# Altium PCB CMTestBoardV2.PcbDoc (part 1 of 2)
Units mil, origin at the board's own origin, x right, y up, seen from the top; angles counter-clockwise.
Board outline 3745.87 x 3955.48 mil, 4 copper layers (Top Layer, Layer 1, Layer 2, Bottom Layer), stack 22.4 mil thick; 99 components, 95 nets, 736 pads, 278 vias.
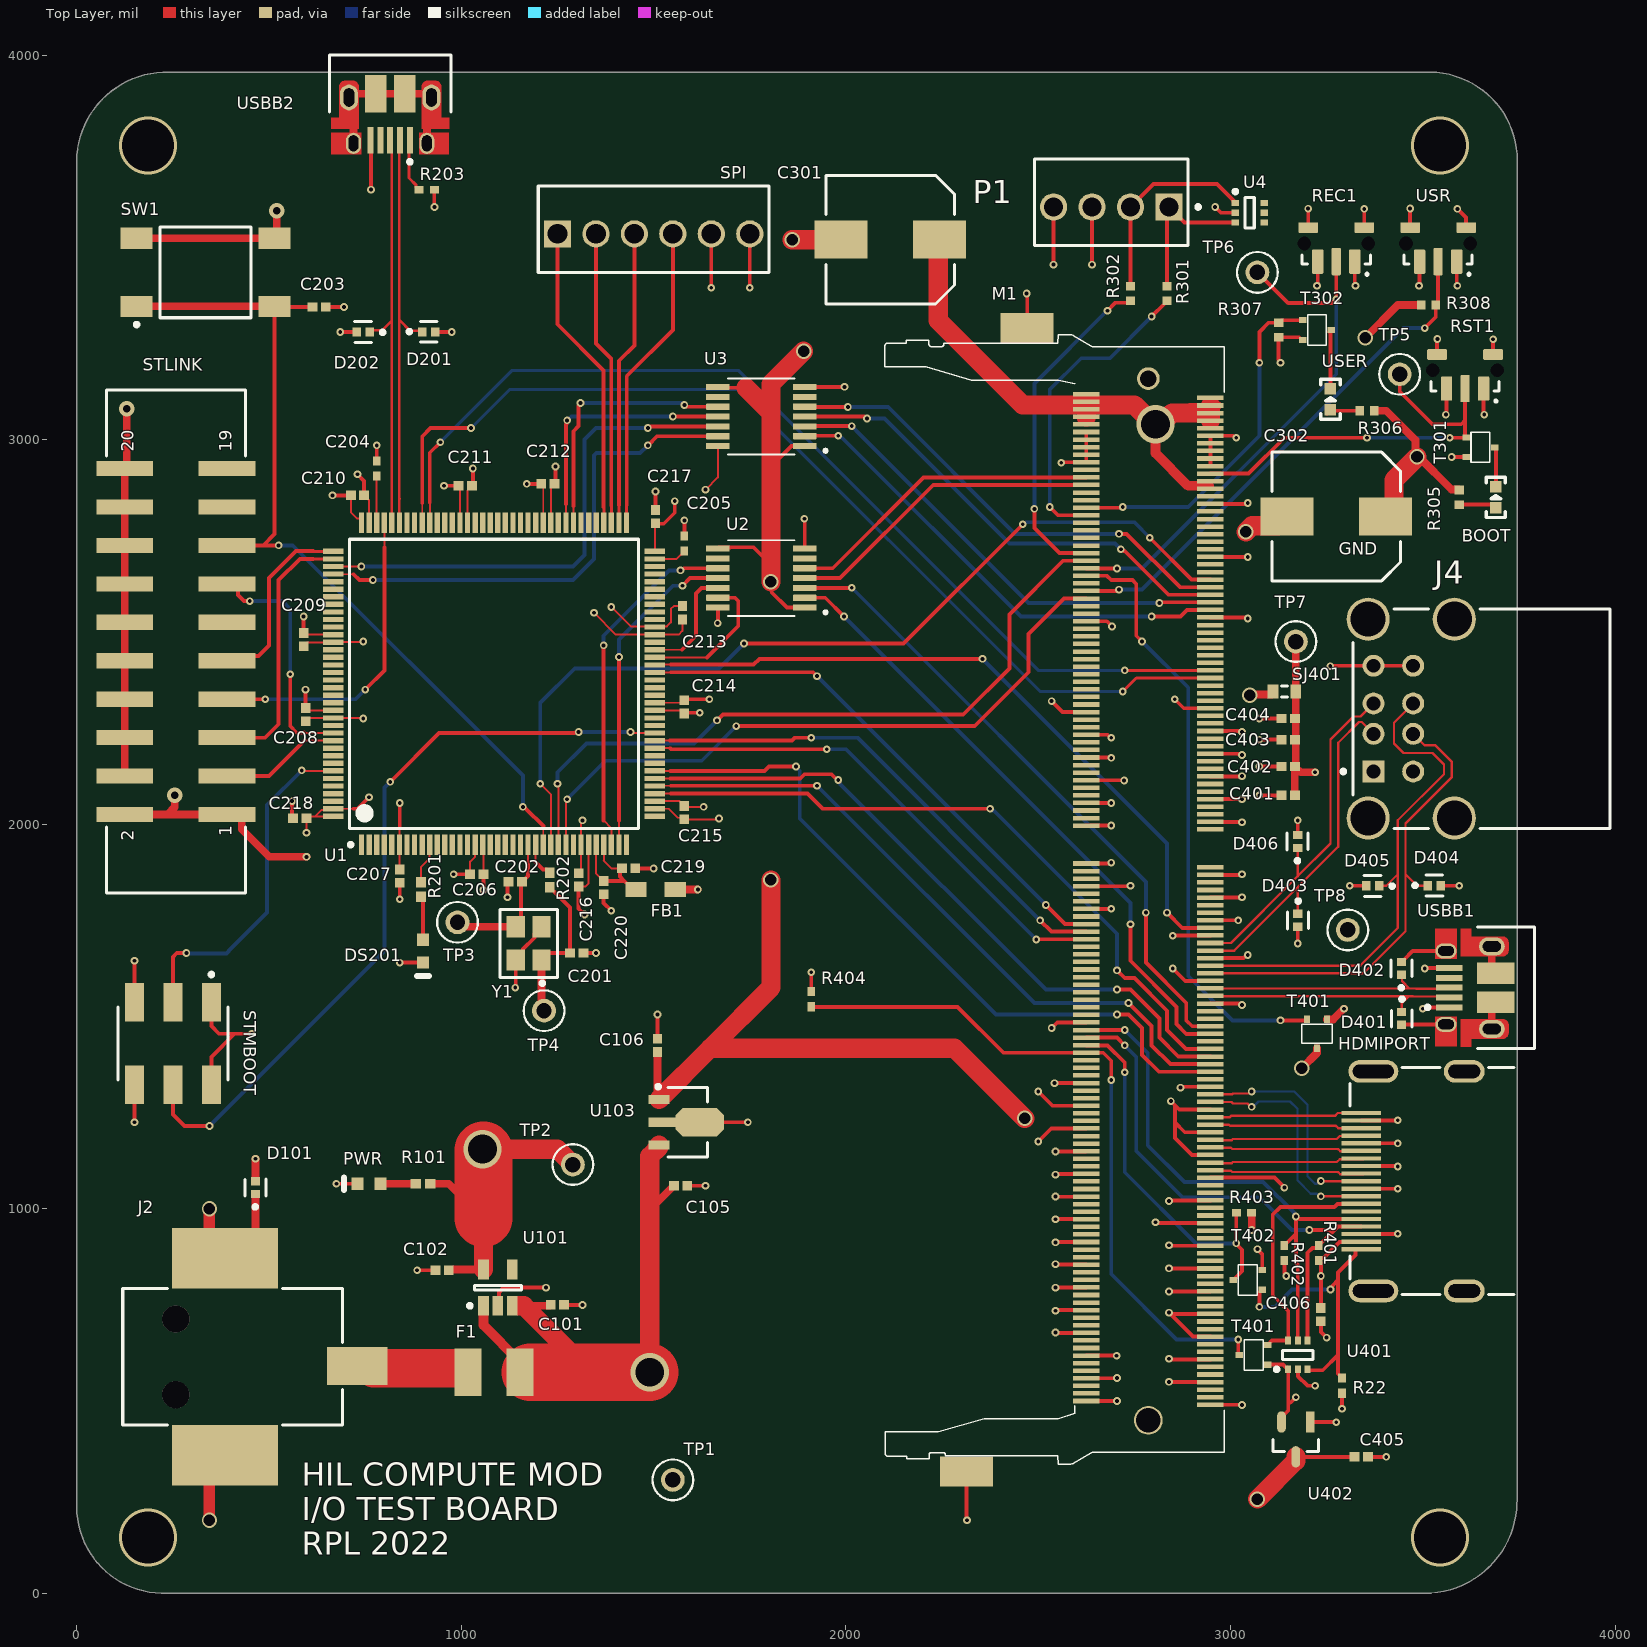
[diagram p0: Top Layer view]
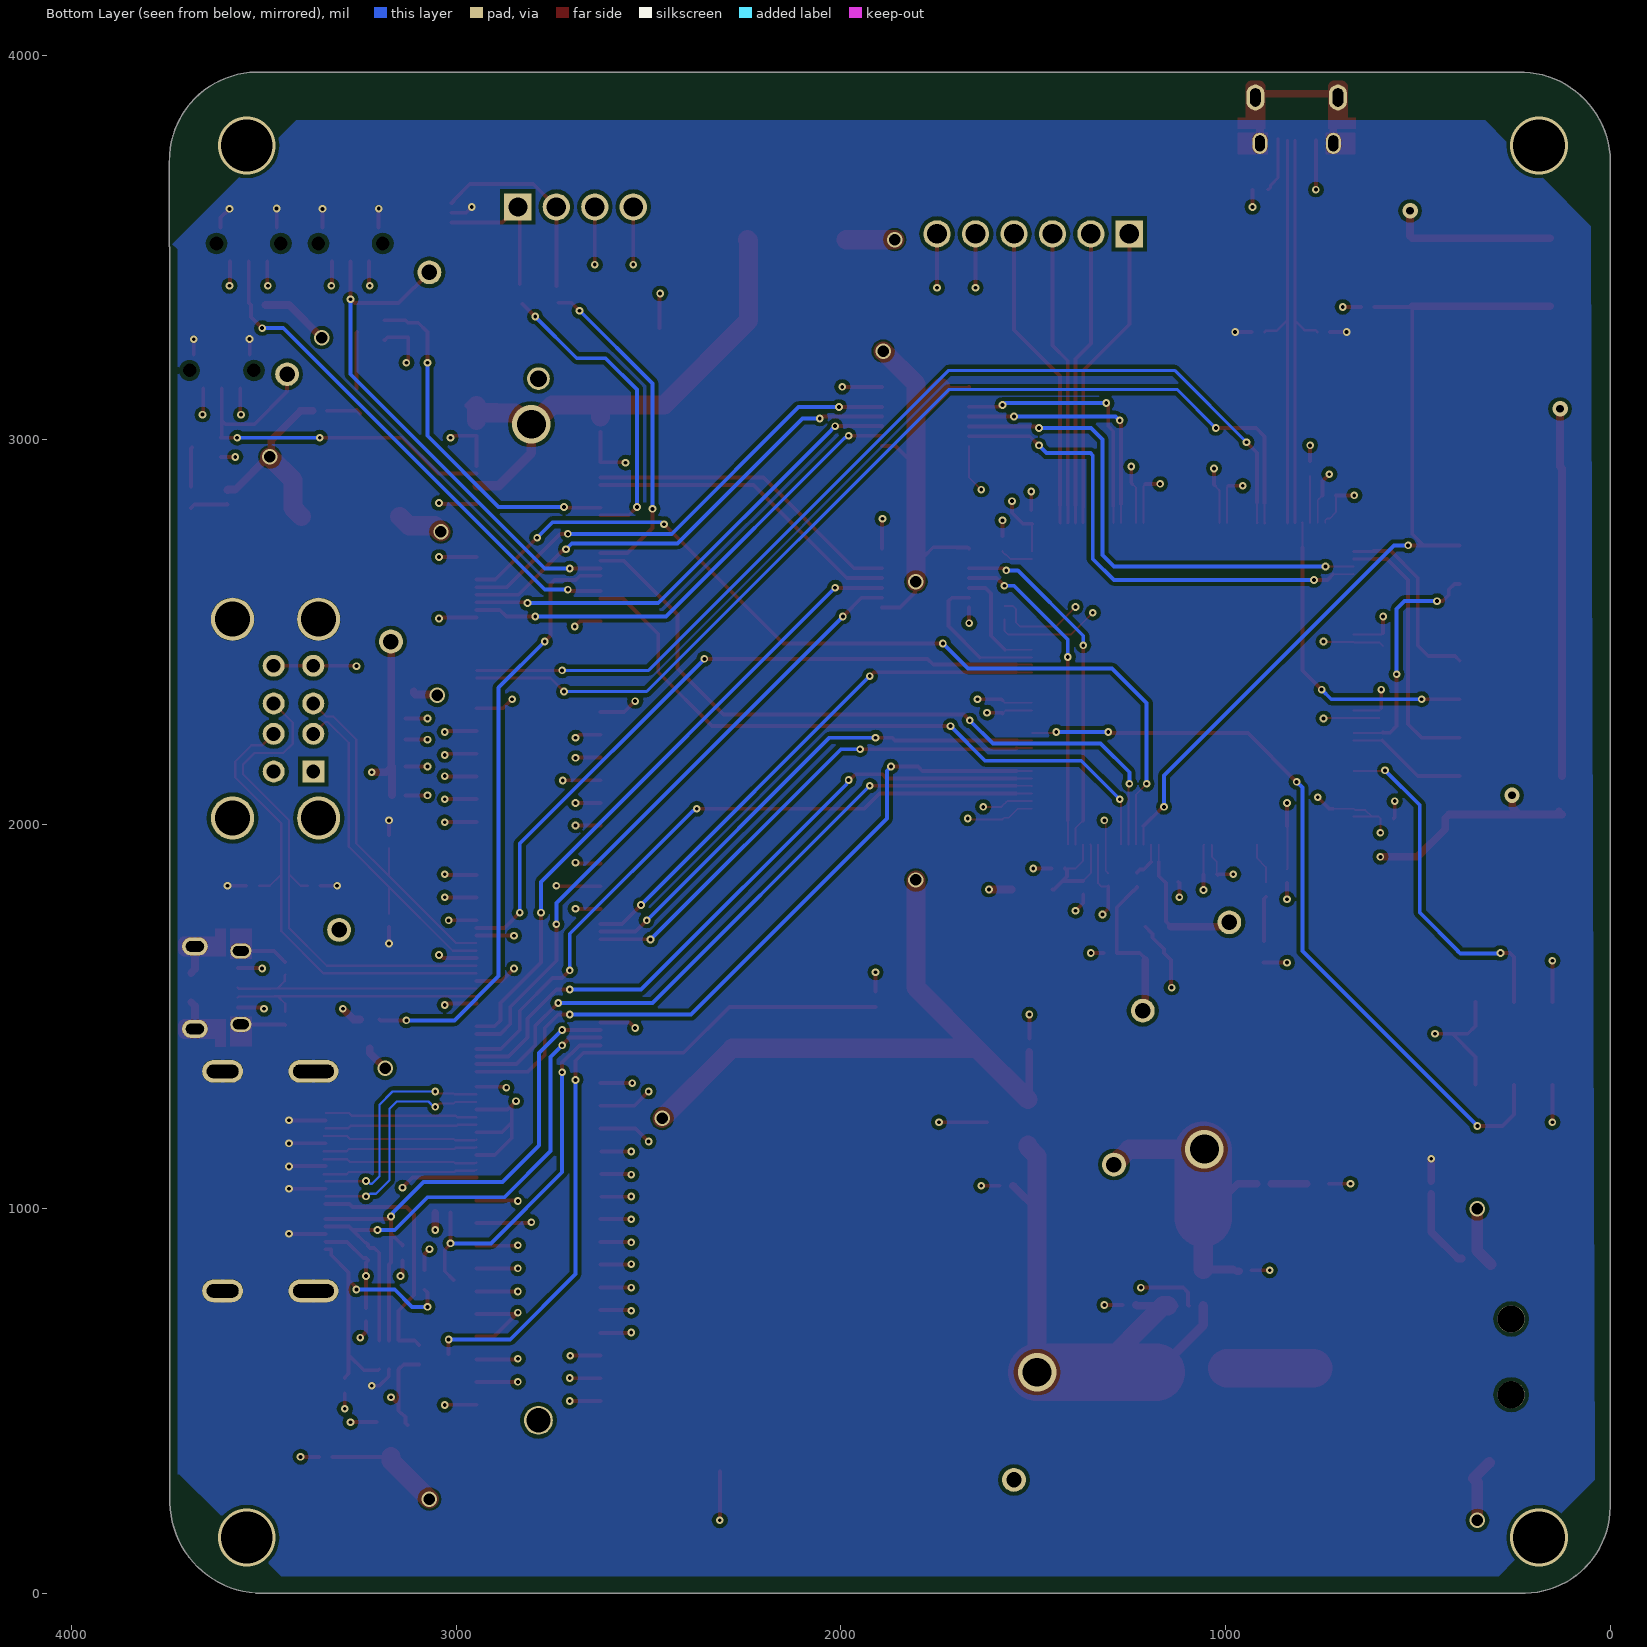
[diagram p1: Bottom Layer view, seen from below]
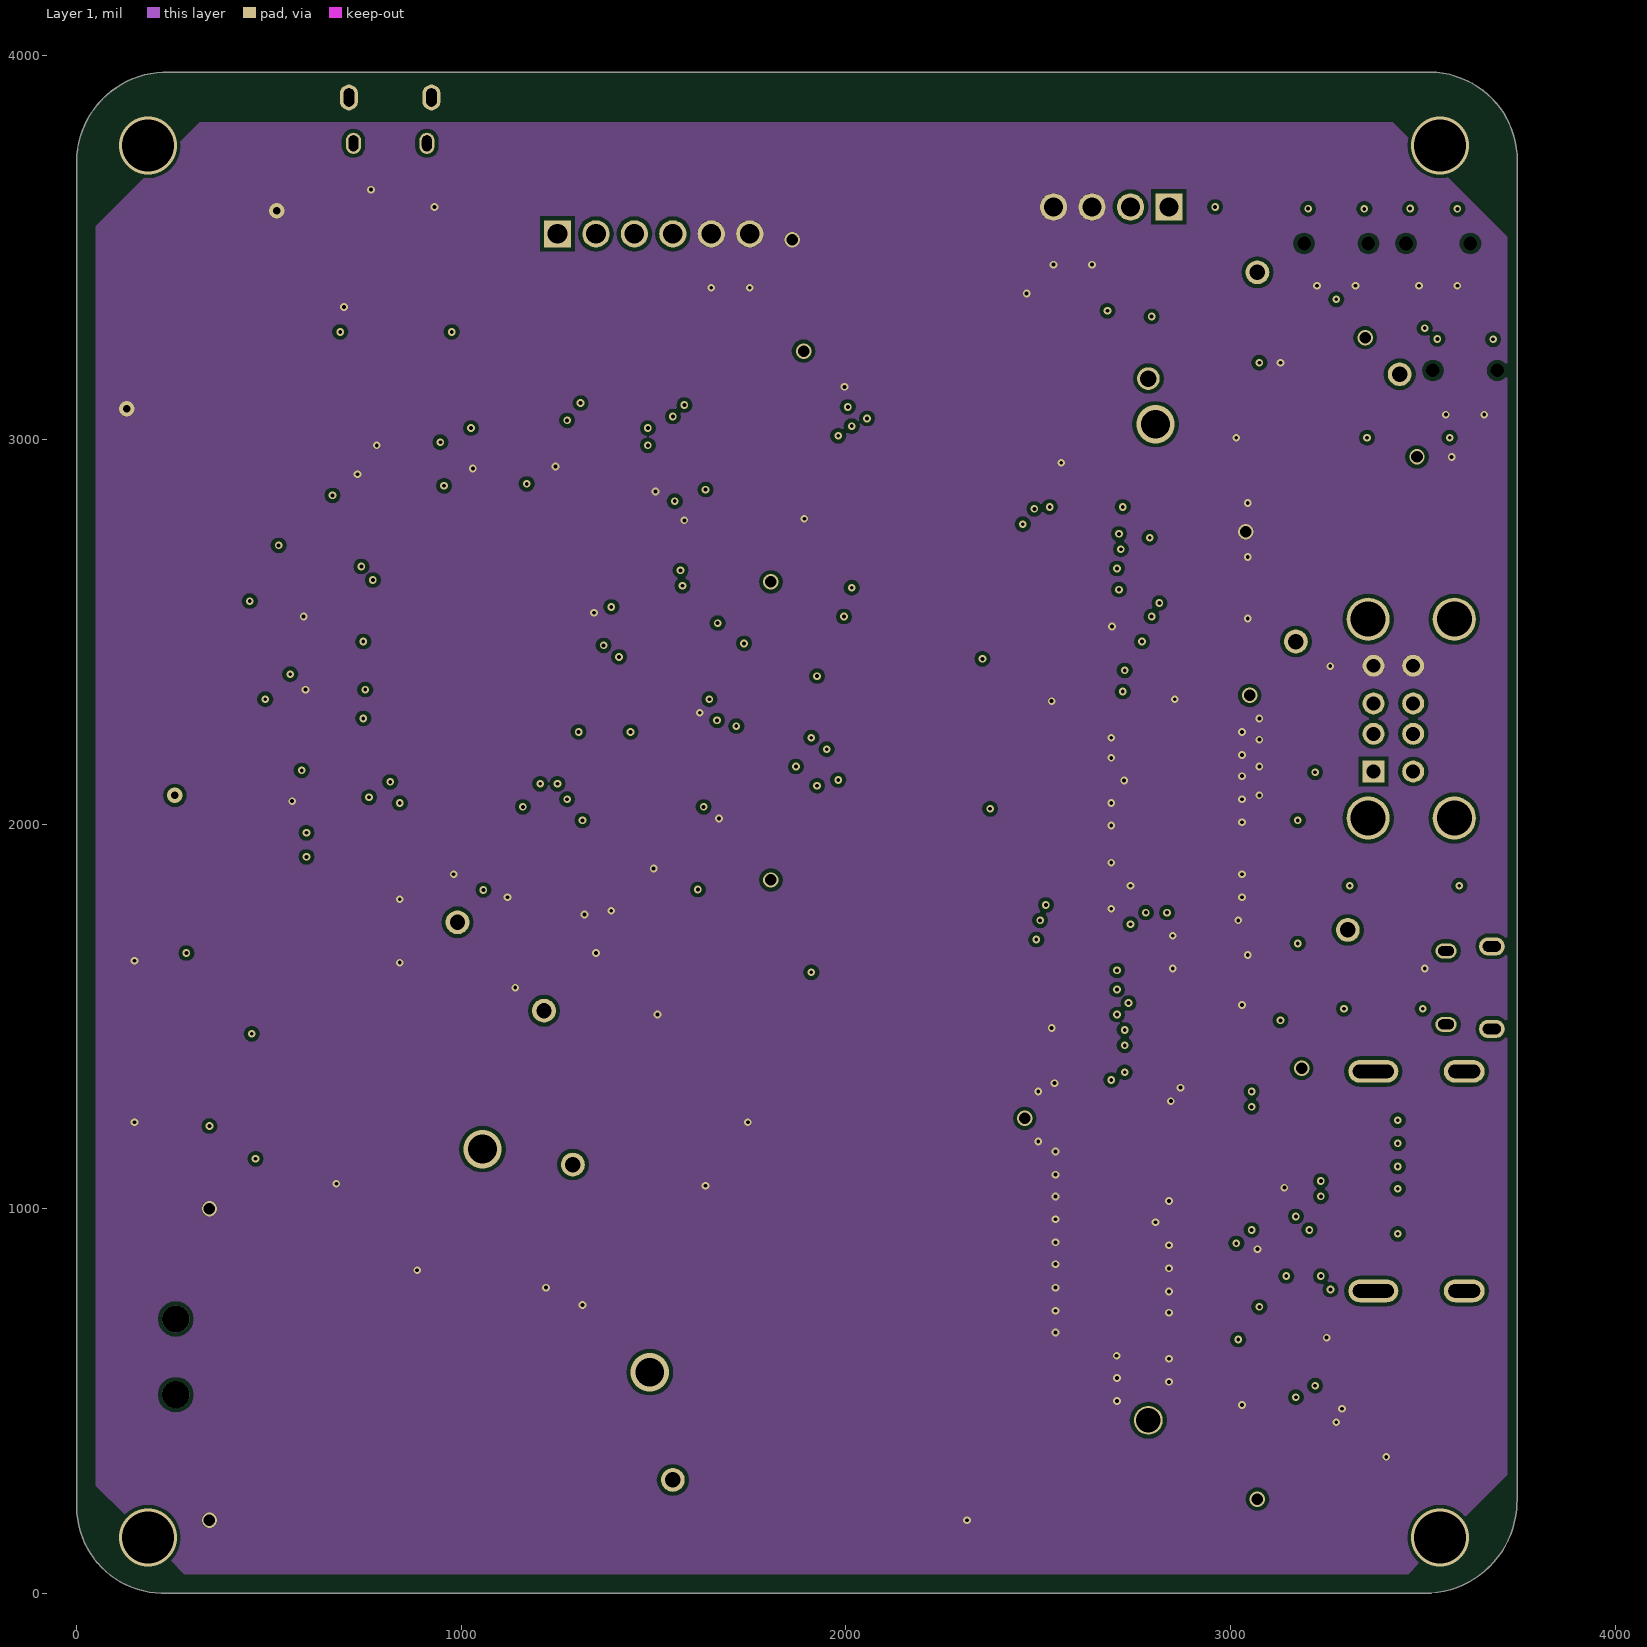
[diagram p2: Layer 1]
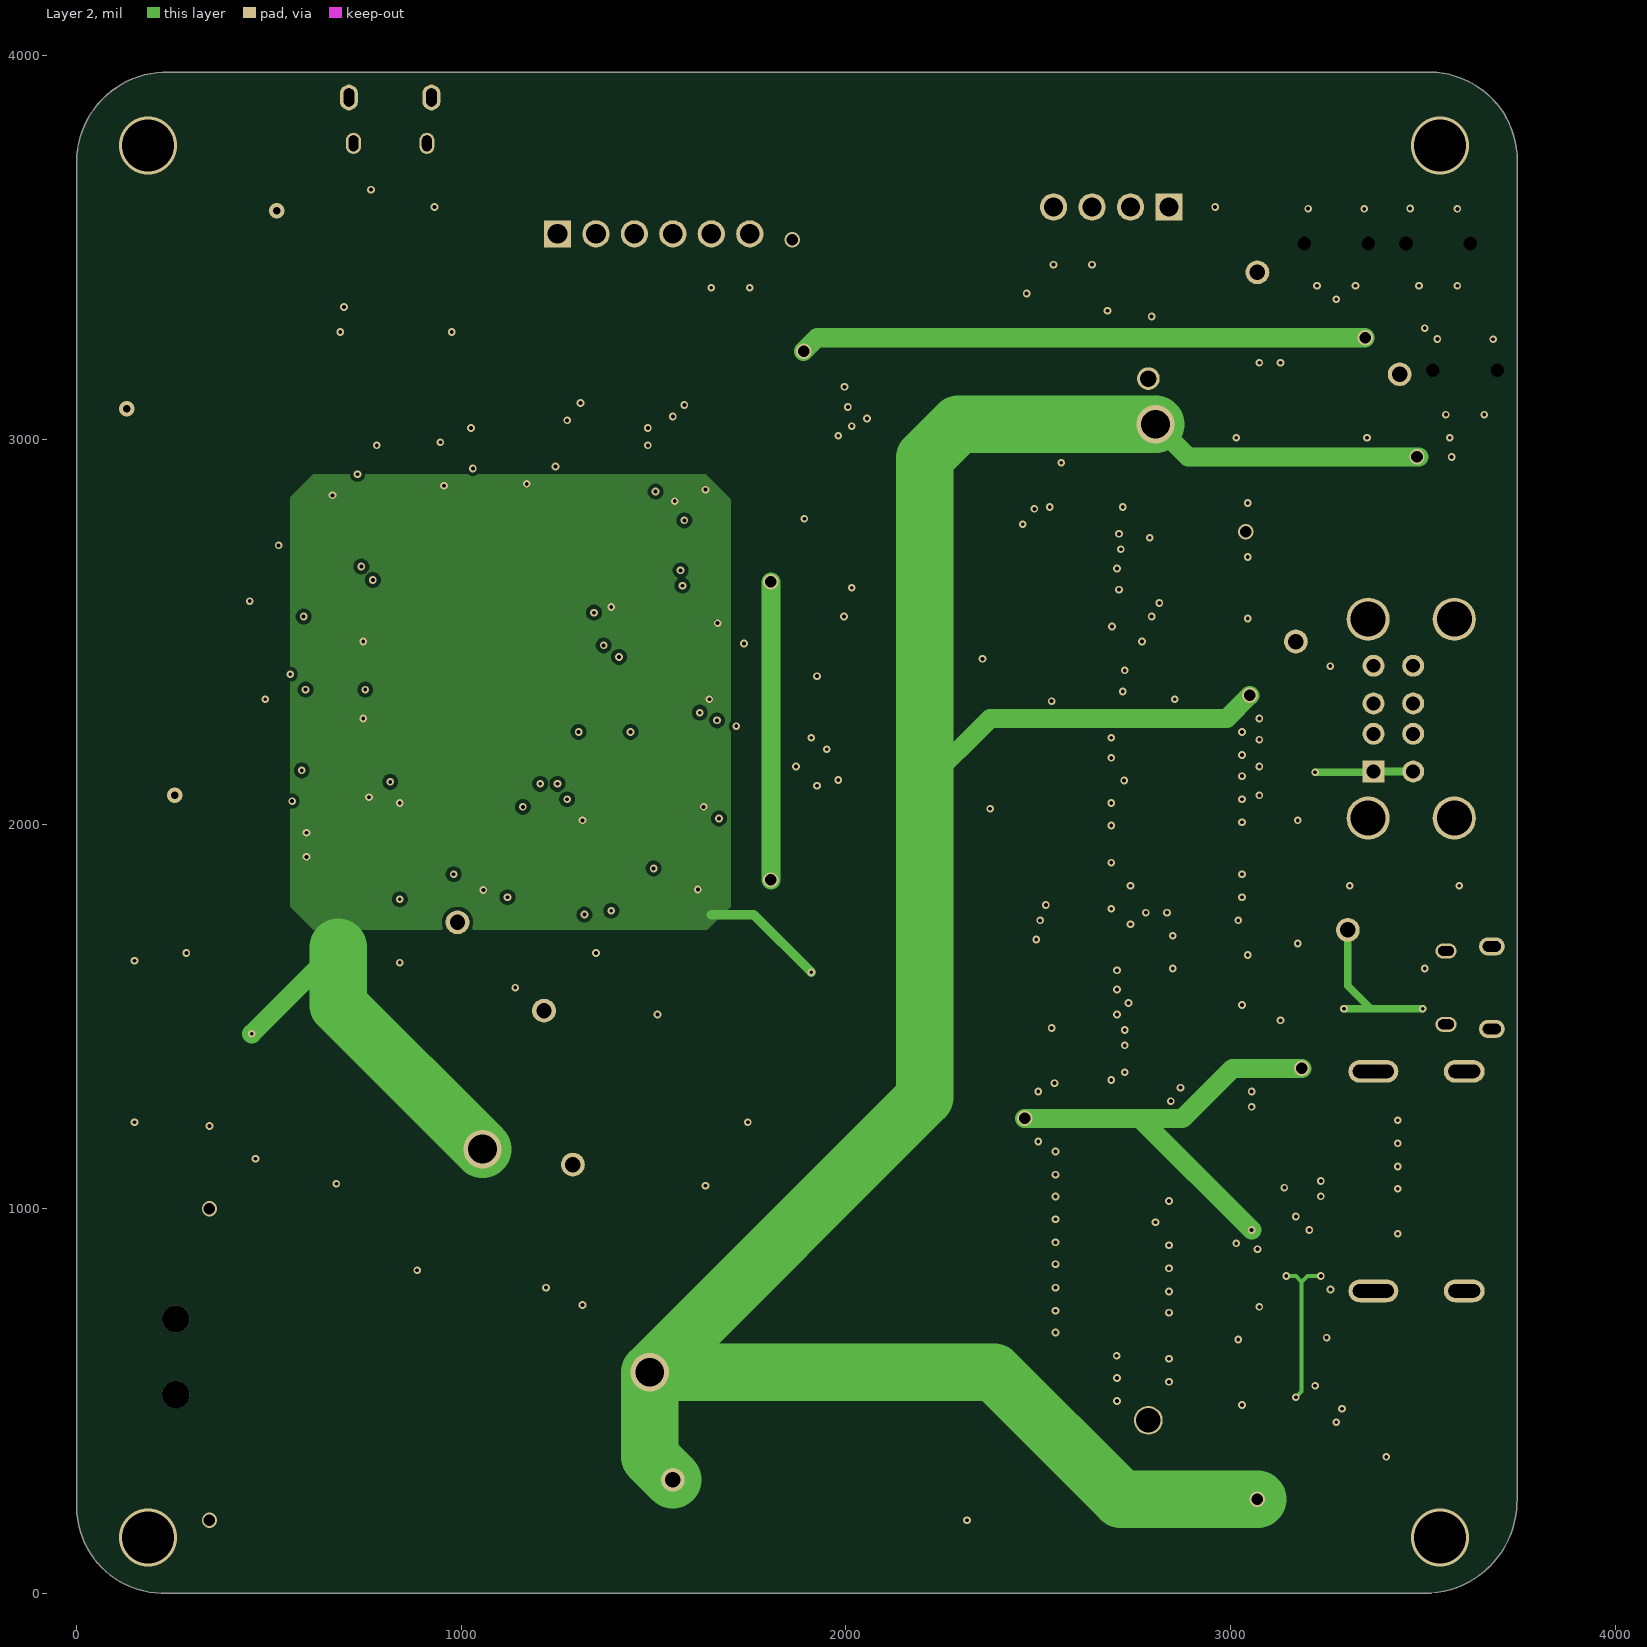
[diagram p3: Layer 2]
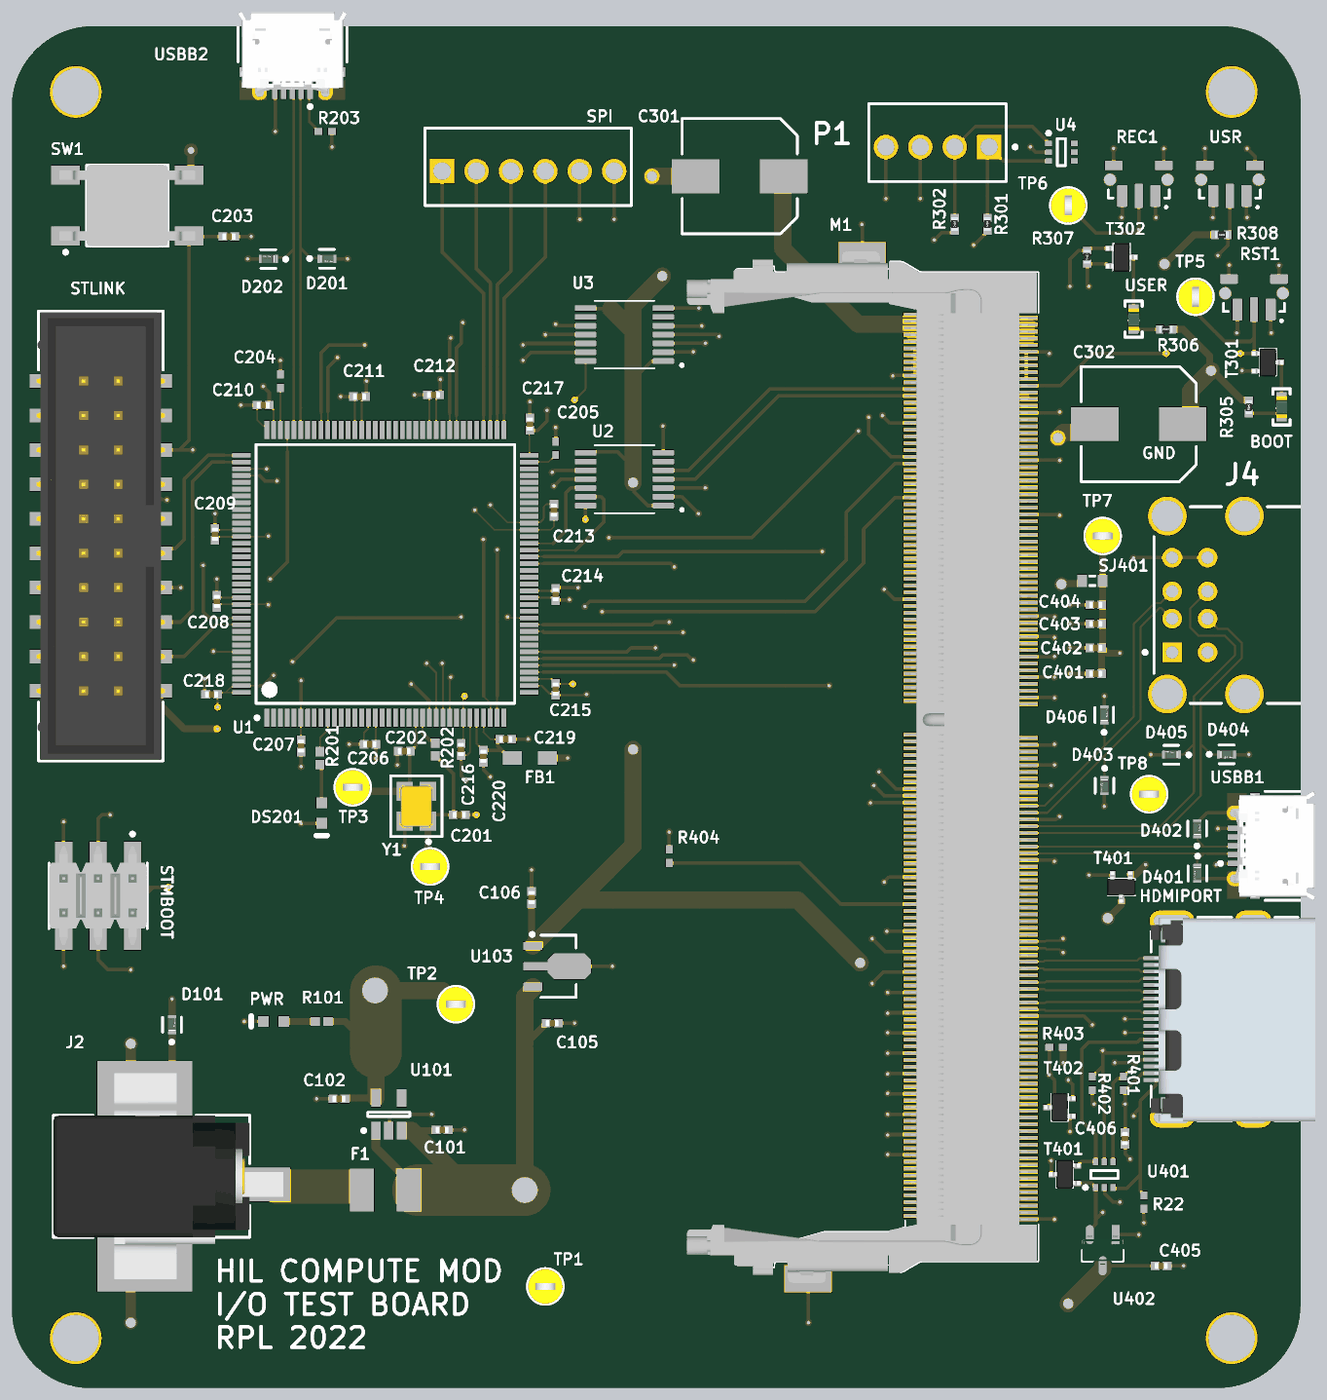
[diagram p5: 3D render of the assembled board from above, using the file's embedded part models]

## Layer stack, top to bottom
Top Solder: solder mask 0.4, Solder Resist, Dk 3.5
Top Layer: signal copper 1.4
Dielectric 2: prepreg 2.8, PP-006, Dk 4.1
Layer 1: signal copper 0.7
Dielectric 1: dielectric 12.6, FR-4, Dk 4.8
Layer 2: signal copper 0.7
Dielectric 3: prepreg 2.8, PP-006, Dk 4.1
Bottom Layer: signal copper 1.4
Bottom Solder: solder mask 0.4, Solder Resist, Dk 3.5

## Board outline
0,225 ccw(c224.73,225) 220.32,0.31 3505,0.31 ccw(c3505,240.05) 3744.69,235.35 3745.65,238.67 3745.65,333.58 3745.55,335.57 3745.55,3501.38 3745.87,3501.69 3745.87,3725.8 ccw(c3515.88,3725.8) 3520.39,3955.75 3520.39,3955.8 240.02,3955.8 ccw(c235,3720) 0,3740

## Design rules (kind name [scope] priority, off if disabled: settings)
Clearance [All] p1: gap=10 ignorepadtopadclearanceinfootprint=TRUE except(0: Arc-Text Arc-Hole Track-Text Track-Hole SMDPad-Hole THPad-Text THPad-Hole Via-Text Via-Hole Fill-Text Fill-Hole Poly-Text Poly-Hole Region-Text Region-Hole Text-Text Text-Hole; 5: Arc-Arc Arc-Track Track-Track SMDPad-SMDPad; 6: SMDPad-Text; 8: Arc-SMDPad Track-SMDPad; 13: Arc-THPad Track-THPad; 20: SMDPad-Via THPad-THPad THPad-Via Via-Via)
DiffPairsRouting DiffPair_DiffPairsRoutingHDMI [InDifferentialPair ('HDMI_CLK')] p1: maxlimit=20 minlimit=15 mostfreqgap=20 toplayer_minwidth=5 toplayer_maxwidth=10 toplayer_prefwidth=7 midlayer1_minwidth=5 midlayer1_maxwidth=10 midlayer1_prefwidth=7 midlayer2_minwidth=5 midlayer2_maxwidth=10 midlayer2_prefwidth=7 bottomlayer_minwidth=5 bottomlayer_maxwidth=10 bottomlayer_prefwidth=7 substack1={B097EF99-4604-44D4-8B50-51F2A81401D0} toplayer_{b097ef99-4604-44d4-8b50-51f2a81401d0}_minwidth=15 toplayer_{b097ef99-4604-44d4-8b50-51f2a81401d0}_maxwidth=15 toplayer_{b097ef99-4604-44d4-8b50-51f2a81401d0}_prefwidth=15 midlayer1_{b097ef99-4604-44d4-8b50-51f2a81401d0}_minwidth=15 midlayer1_{b097ef99-4604-44d4-8b50-51f2a81401d0}_maxwidth=15 midlayer1_{b097ef99-4604-44d4-8b50-51f2a81401d0}_prefwidth=15 midlayer2_{b097ef99-4604-44d4-8b50-51f2a81401d0}_minwidth=15 midlayer2_{b097ef99-4604-44d4-8b50-51f2a81401d0}_maxwidth=15 midlayer2_{b097ef99-4604-44d4-8b50-51f2a81401d0}_prefwidth=15 bottomlayer_{b097ef99-4604-44d4-8b50-51f2a81401d0}_minwidth=15 bottomlayer_{b097ef99-4604-44d4-8b50-51f2a81401d0}_maxwidth=15 bottomlayer_{b097ef99-4604-44d4-8b50-51f2a81401d0}_prefwidth=15 filterlayerstackid={A826D8F3-2E07-4189-ABFB-3FAE5B4822BD} maxuncoupledlength=500
DiffPairsRouting DiffPair_DiffPairsRoutingUSB [InDifferentialPair ('USB2') Or InDifferentialPair ('USB1') Or InDifferentialPair ('OTG_USB')] p2: maxlimit=14 minlimit=12 mostfreqgap=13 toplayer_minwidth=5 toplayer_maxwidth=7 toplayer_prefwidth=6 midlayer1_minwidth=5 midlayer1_maxwidth=7 midlayer1_prefwidth=6 midlayer2_minwidth=5 midlayer2_maxwidth=7 midlayer2_prefwidth=6 bottomlayer_minwidth=5 bottomlayer_maxwidth=7 bottomlayer_prefwidth=6 substack1={B097EF99-4604-44D4-8B50-51F2A81401D0} toplayer_{b097ef99-4604-44d4-8b50-51f2a81401d0}_minwidth=15 toplayer_{b097ef99-4604-44d4-8b50-51f2a81401d0}_maxwidth=15 toplayer_{b097ef99-4604-44d4-8b50-51f2a81401d0}_prefwidth=15 midlayer1_{b097ef99-4604-44d4-8b50-51f2a81401d0}_minwidth=15 midlayer1_{b097ef99-4604-44d4-8b50-51f2a81401d0}_maxwidth=15 midlayer1_{b097ef99-4604-44d4-8b50-51f2a81401d0}_prefwidth=15 midlayer2_{b097ef99-4604-44d4-8b50-51f2a81401d0}_minwidth=15 midlayer2_{b097ef99-4604-44d4-8b50-51f2a81401d0}_maxwidth=15 midlayer2_{b097ef99-4604-44d4-8b50-51f2a81401d0}_prefwidth=15 bottomlayer_{b097ef99-4604-44d4-8b50-51f2a81401d0}_minwidth=15 bottomlayer_{b097ef99-4604-44d4-8b50-51f2a81401d0}_maxwidth=15 bottomlayer_{b097ef99-4604-44d4-8b50-51f2a81401d0}_prefwidth=15 filterlayerstackid={A826D8F3-2E07-4189-ABFB-3FAE5B4822BD} maxuncoupledlength=1540
DiffPairsRouting DiffPairsRouting_1 [InDifferentialPair ('USB2') Or InDifferentialPair ('USB1') Or InDifferentialPair ('OTG_USB')] p3: maxlimit=10 minlimit=10 mostfreqgap=10 toplayer_minwidth=15 toplayer_maxwidth=15 toplayer_prefwidth=15 midlayer1_minwidth=15 midlayer1_maxwidth=15 midlayer1_prefwidth=15 midlayer2_minwidth=15 midlayer2_maxwidth=15 midlayer2_prefwidth=15 bottomlayer_minwidth=15 bottomlayer_maxwidth=15 bottomlayer_prefwidth=15 substack1={B097EF99-4604-44D4-8B50-51F2A81401D0} toplayer_{b097ef99-4604-44d4-8b50-51f2a81401d0}_minwidth=15 toplayer_{b097ef99-4604-44d4-8b50-51f2a81401d0}_maxwidth=15 toplayer_{b097ef99-4604-44d4-8b50-51f2a81401d0}_prefwidth=15 midlayer1_{b097ef99-4604-44d4-8b50-51f2a81401d0}_minwidth=15 midlayer1_{b097ef99-4604-44d4-8b50-51f2a81401d0}_maxwidth=15 midlayer1_{b097ef99-4604-44d4-8b50-51f2a81401d0}_prefwidth=15 midlayer2_{b097ef99-4604-44d4-8b50-51f2a81401d0}_minwidth=15 midlayer2_{b097ef99-4604-44d4-8b50-51f2a81401d0}_maxwidth=15 midlayer2_{b097ef99-4604-44d4-8b50-51f2a81401d0}_prefwidth=15 bottomlayer_{b097ef99-4604-44d4-8b50-51f2a81401d0}_minwidth=15 bottomlayer_{b097ef99-4604-44d4-8b50-51f2a81401d0}_maxwidth=15 bottomlayer_{b097ef99-4604-44d4-8b50-51f2a81401d0}_prefwidth=15 filterlayerstackid={A826D8F3-2E07-4189-ABFB-3FAE5B4822BD} maxuncoupledlength=500
DiffPairsRouting [InDifferentialPairClass('USB')] p4: maxlimit=14 minlimit=12 mostfreqgap=13 toplayer_minwidth=6 toplayer_maxwidth=13 toplayer_prefwidth=7 midlayer1_minwidth=6 midlayer1_maxwidth=13 midlayer1_prefwidth=7 midlayer2_minwidth=6 midlayer2_maxwidth=13 midlayer2_prefwidth=7 bottomlayer_minwidth=6 bottomlayer_maxwidth=13 bottomlayer_prefwidth=7 substack1={B097EF99-4604-44D4-8B50-51F2A81401D0} toplayer_{b097ef99-4604-44d4-8b50-51f2a81401d0}_mingap=10 toplayer_{b097ef99-4604-44d4-8b50-51f2a81401d0}_maxgap=13 toplayer_{b097ef99-4604-44d4-8b50-51f2a81401d0}_minwidth=15 toplayer_{b097ef99-4604-44d4-8b50-51f2a81401d0}_maxwidth=15 toplayer_{b097ef99-4604-44d4-8b50-51f2a81401d0}_prefwidth=15 midlayer1_{b097ef99-4604-44d4-8b50-51f2a81401d0}_mingap=10 midlayer1_{b097ef99-4604-44d4-8b50-51f2a81401d0}_maxgap=13 midlayer1_{b097ef99-4604-44d4-8b50-51f2a81401d0}_minwidth=15 midlayer1_{b097ef99-4604-44d4-8b50-51f2a81401d0}_maxwidth=15 midlayer1_{b097ef99-4604-44d4-8b50-51f2a81401d0}_prefwidth=15 midlayer2_{b097ef99-4604-44d4-8b50-51f2a81401d0}_mingap=10 midlayer2_{b097ef99-4604-44d4-8b50-51f2a81401d0}_maxgap=13 midlayer2_{b097ef99-4604-44d4-8b50-51f2a81401d0}_minwidth=15 midlayer2_{b097ef99-4604-44d4-8b50-51f2a81401d0}_maxwidth=15 midlayer2_{b097ef99-4604-44d4-8b50-51f2a81401d0}_prefwidth=15 bottomlayer_{b097ef99-4604-44d4-8b50-51f2a81401d0}_mingap=10 bottomlayer_{b097ef99-4604-44d4-8b50-51f2a81401d0}_maxgap=13 bottomlayer_{b097ef99-4604-44d4-8b50-51f2a81401d0}_minwidth=15 bottomlayer_{b097ef99-4604-44d4-8b50-51f2a81401d0}_maxwidth=15 bottomlayer_{b097ef99-4604-44d4-8b50-51f2a81401d0}_prefwidth=15 filterlayerstackid={A826D8F3-2E07-4189-ABFB-3FAE5B4822BD} maxuncoupledlength=500
HoleSize [All] p1: absolutevalues=TRUE maxlimit=150 minlimit=10 maxpercent=80.000 minpercent=20.000
MatchedLengths DiffPair_MatchedLengths [InDifferentialPair ('HDMI_CLK')] p1: tolerance=1000 checknetsindiffpair=FALSE checkdiffpairvsdiffpair=TRUE checkxsignals=TRUE checkothers=TRUE
MatchedLengths DiffPair_MatchedLengths_1 [InDifferentialPair ('USB2') Or InDifferentialPair ('USB1') Or InDifferentialPair ('OTG_USB')] p2: tolerance=1000 checknetsindiffpair=FALSE checkdiffpairvsdiffpair=TRUE checkxsignals=TRUE checkothers=TRUE
MatchedLengths [InDifferentialPair ('USB2') Or InDifferentialPair ('USB1') Or InDifferentialPair ('OTG_USB')] p3: tolerance=1000 checknetsindiffpair=FALSE checkdiffpairvsdiffpair=TRUE checkxsignals=TRUE checkothers=TRUE
MatchedLengths DiffPair_MatchedLengths_2 [InDifferentialPair ('USB2') Or InDifferentialPair ('USB1') Or InDifferentialPair ('OTG_USB')] p4: tolerance=1000 checknetsindiffpair=FALSE checkdiffpairvsdiffpair=TRUE checkxsignals=TRUE checkothers=TRUE